# Altium PCB roach2.PcbDoc (part 38 of 39)
Units mil, origin at the board's own origin, x right, y up, seen from the top; angles counter-clockwise.
Board outline 12007.87 x 9606.3 mil, 16 copper layers (L1_TOP, L2_G, L3_S, L4_G, L5_S, L6_P, L7_G, L8_R, L9_R, L10_P, L11_P, L12_S, L13_P, L14_S, L15_G, L16_BOT), stack 81.651 mil thick; 1608 components, 1934 nets, 9335 pads, 6759 vias.
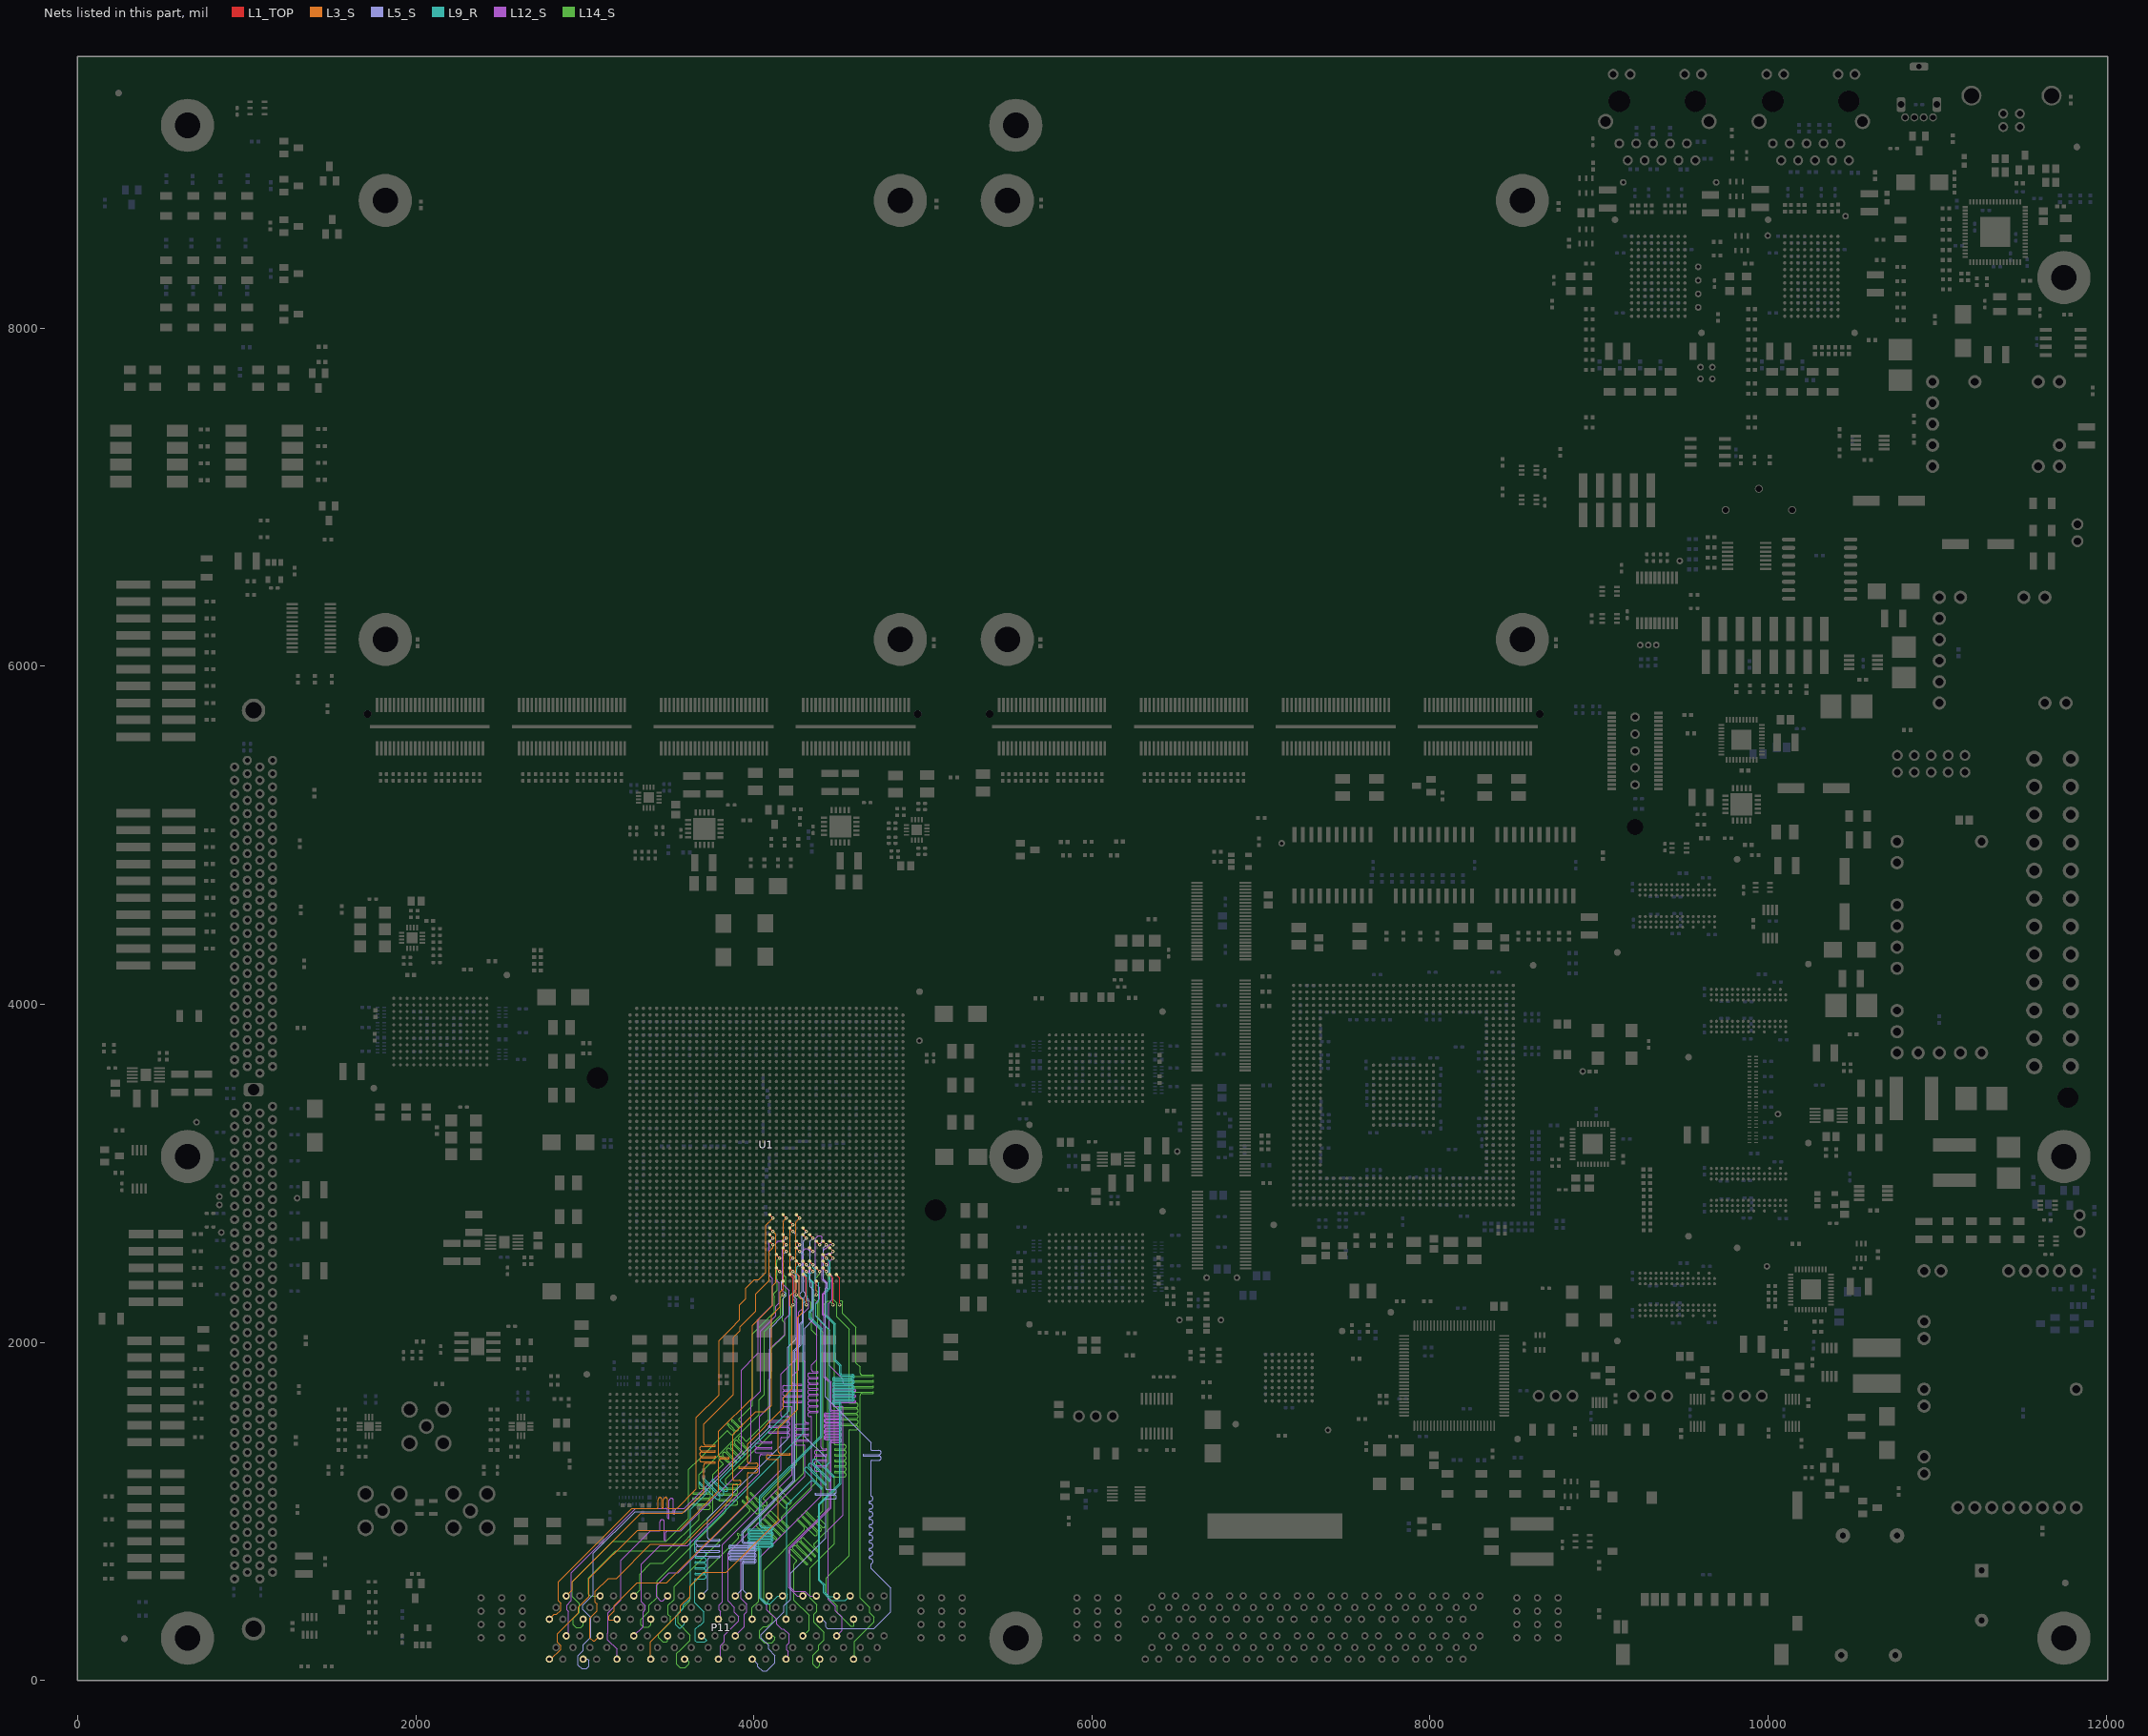
[diagram p52: the nets of this part, all layers, seen from the top]

## Via types
v1: diameter 19.4, hole 10, L1_TOP to L16_BOT, tented both sides, 3354 vias
v2: diameter 19.4, hole 10, L1_TOP to L16_BOT, 1884 vias
v3: diameter 19.4, hole 10, L1_TOP to L16_BOT, tented top, 410 vias
v4: diameter 18.6, hole 10, L1_TOP to L16_BOT, tented both sides, 311 vias
v5: diameter 59.06, hole 39.37, L1_TOP to L16_BOT, 217 vias
v6: diameter 19, hole 10, L1_TOP to L16_BOT, 198 vias
v7: diameter 19.4, hole 10.04, L1_TOP to L16_BOT, 125 vias
v8: diameter 19.4, hole 10, L1_TOP to L16_BOT, tented bottom, 80 vias
v9: diameter 25.98, hole 12.99, L1_TOP to L16_BOT, tented top, 59 vias
v10: diameter 20, hole 10, L1_TOP to L16_BOT, 52 vias
v11: diameter 59.06, hole 39.37, L1_TOP to L16_BOT, tented top, 44 vias
v12: diameter 20, hole 10, L1_TOP to L16_BOT, tented top, 16 vias
v13: diameter 19, hole 10, L1_TOP to L16_BOT, tented top, 5 vias
v14: diameter 50, hole 28, L1_TOP to L16_BOT, 4 vias

## Nets (pads, with @x,y where several pads share a name; then routed paths per layer and width w, separated by ;. In a path a pad name is that pad's centre, name@x,y a point inside that pad or via, vN(x,y) a via of type N, cw(c..) or ccw(c..) an arc to the next point about the centre after c; other vN are vias at no path point) (continued)
ZDOK1.DP_N34: P11.F12 U1.T35 | length 3357.4
  L1_TOP w5: U1.T35@4290.44,2636.26 v1(4310.13,2616.57)
  L5_S w3.8: P11.F12@3969.92,500 3936.99,532.93 3936.99,690.19 cw(c3941.39,690.19) 3941.39,694.59 4002.79,694.59 ccw(c4002.79,706.79) 4014.99,706.79 ccw(c4002.79,706.79) 4002.79,718.99 3863.4,718.99 cw(c3863.4,723.39) 3863.4,727.79 4002.79,727.79 ccw(c4002.79,739.99) 4014.99,739.99 ccw(c4002.79,739.99) 4002.79,752.19 3863.4,752.19 cw(c3863.4,756.59) 3863.4,760.99 4002.79,760.99 ccw(c4002.79,773.19) 4014.99,773.19 ccw(c4002.79,773.19) 4002.79,785.39 3863.4,785.39 cw(c3863.4,789.79) 3863.4,794.19 4002.79,794.19 ccw(c4002.79,806.39) 4014.99,806.39 ccw(c4002.79,806.39) 4002.79,818.59 3941.39,818.59 cw(c3941.39,822.99) 3936.99,822.99 3936.99,875.96 4241.99,1180.96 4241.99,1947.99 4278.51,1984.51 4278.51,2106.48 4294.53,2122.49 4294.53,2234.09 4295.42,2234.99 4295.42,2264.85 4306.04,2275.47 4306.04,2288.39 4294.16,2300.27 4294.16,2600.6 v1(4310.13,2616.57)
ZDOK1.DP_N35: P11.F14 U1.T40 | length 3418.7
  L1_TOP w5: U1.T40@4290.44,2439.41 v1(4310.13,2419.72)
  L9_R w3.8: P11.F14@4169.92,500 4142,500 4097.19,455.19 4063.76,455.19 4035.19,483.76 4035.19,767.59 ccw(c4030.79,767.59) 4030.79,771.99 3975.28,771.99 cw(c3975.28,784.19) 3975.28,796.39 4102.91,796.39 ccw(c4102.91,800.79) 4107.31,800.79 ccw(c4102.91,800.79) 4102.91,805.19 3975.28,805.19 cw(c3975.28,817.39) 3975.28,829.59 4102.91,829.59 ccw(c4102.91,833.99) 4107.31,833.99 ccw(c4102.91,833.99) 4102.91,838.39 3975.28,838.39 cw(c3975.28,850.59) 3975.28,862.79 4102.91,862.79 ccw(c4102.91,867.19) 4107.31,867.19 ccw(c4102.91,867.19) 4102.91,871.59 3975.28,871.59 cw(c3975.28,883.79) 3975.28,895.99 4102.91,895.99 ccw(c4102.91,900.39) 4107.31,900.39 ccw(c4102.91,900.39) 4102.91,904.79 4047.39,904.79 cw(c4047.39,916.99) 4035.19,916.99 4035.19,1087.19 4395.19,1447.19 4395.19,2078.38 4326.81,2146.76 4326.81,2183.84 4345.78,2202.81 4345.78,2350.98 4326.1,2370.66 4326.1,2403.75 v1(4310.13,2419.72)
ZDOK1.DP_N36: P11.F16 U1.M37 | length 3378.5
  L1_TOP w5: U1.M37@4448.82,2559.06 4467.61,2540.27 v1(4467.61,2537.83)
  L12_S w3.8: P11.F16@4369.92,500 4328.97,500 4301.41,527.55 4239.44,527.55 4214.99,552 4214.99,779.96 4455.79,1020.76 4455.79,1403.79 cw(c4460.19,1403.79) 4460.19,1408.19 4506.22,1408.19 ccw(c4506.22,1420.39) 4518.42,1420.39 ccw(c4506.22,1420.39) 4506.22,1432.59 4425.76,1432.59 cw(c4425.76,1436.99) 4425.76,1441.39 4506.22,1441.39 ccw(c4506.22,1453.59) 4518.42,1453.59 ccw(c4506.22,1453.59) 4506.22,1465.79 4425.76,1465.79 cw(c4425.76,1470.19) 4425.76,1474.59 4506.22,1474.59 ccw(c4506.22,1486.79) 4518.42,1486.79 ccw(c4506.22,1486.79) 4506.22,1498.99 4425.76,1498.99 cw(c4425.76,1503.39) 4425.76,1507.79 4506.22,1507.79 ccw(c4506.22,1519.99) 4518.42,1519.99 ccw(c4506.22,1519.99) 4506.22,1532.19 4425.76,1532.19 cw(c4425.76,1536.59) 4425.76,1540.99 4506.22,1540.99 ccw(c4506.22,1553.19) 4518.42,1553.19 ccw(c4506.22,1553.19) 4506.22,1565.39 4425.76,1565.39 cw(c4425.76,1569.79) 4425.76,1574.19 4506.22,1574.19 ccw(c4506.22,1586.39) 4518.42,1586.39 ccw(c4506.22,1586.39) 4506.22,1598.59 4460.19,1598.59 cw(c4460.19,1602.99) 4455.79,1602.99 4455.79,1765.19 4423.99,1796.99 4423.99,2154.16 4413.16,2164.99 4413.16,2284.16 4434.49,2305.49 4434.49,2352.03 4412.64,2373.89 4412.64,2515 4419.87,2522.23 4434.7,2522.23 4442.46,2530 4459.77,2530 v1(4467.61,2537.83)
ZDOK1.DP_N37: P11.F18 U1.N39 | length 3413.8
  L1_TOP w5: U1.N39@4408.55,2478.78 v1(4428.24,2459.09)
  L9_R w3.8: v1(4428.24,2459.09) 4444.21,2443.12 4444.21,2322.74 4422.49,2301.02 4422.49,2158.26 4443.99,2136.76 4474.76,2105.99 4474.76,1895.09 4508.19,1861.66 4508.19,1814.99 ccw(c4520.39,1814.99) 4520.39,1802.79 4582.58,1802.79 cw(c4582.58,1798.39) 4586.98,1798.39 cw(c4582.58,1798.39) 4582.58,1793.99 4477.2,1793.99 ccw(c4477.2,1781.79) 4477.2,1769.59 4582.58,1769.59 cw(c4582.58,1765.19) 4586.98,1765.19 cw(c4582.58,1765.19) 4582.58,1760.79 4477.2,1760.79 ccw(c4477.2,1748.59) 4477.2,1736.39 4582.58,1736.39 cw(c4582.58,1731.99) 4586.98,1731.99 cw(c4582.58,1731.99) 4582.58,1727.59 4477.2,1727.59 ccw(c4477.2,1715.39) 4477.2,1703.19 4582.58,1703.19 cw(c4582.58,1698.79) 4586.98,1698.79 cw(c4582.58,1698.79) 4582.58,1694.39 4477.2,1694.39 ccw(c4477.2,1682.19) 4477.2,1669.99 4582.58,1669.99 cw(c4582.58,1665.59) 4586.98,1665.59 cw(c4582.58,1665.59) 4582.58,1661.19 4477.2,1661.19 ccw(c4477.2,1648.99) 4477.2,1636.79 4503.79,1636.79 cw(c4503.79,1632.39) 4508.19,1632.39 4508.19,1168.19 4382.71,1042.71 4382.71,592.25 4411.48,563.48 4411.48,518.51 4457.54,472.45 4542.37,472.45 P11.F18@4569.92,500
ZDOK1.DP_P0: P11.A1 U1.AA34 | length 3393
  L1_TOP w5: U1.AA34@4093.59,2675.63 v1(4113.28,2655.94)
  L3_S w3.8: P11.A1@2790.2,125.98 2800.03,125.98 2857.51,183.47 2857.51,206.3 2838.99,224.82 2838.99,274.79 2963.19,398.99 2963.19,433.19 3025.19,495.19 3025.19,602.22 3311.96,888.99 3560.99,888.99 3792.99,1120.99 3792.99,1297.79 cw(c3805.19,1297.79) 3805.19,1309.99 3849.19,1309.99 ccw(c3849.19,1314.39) 3853.59,1314.39 ccw(c3849.19,1314.39) 3849.19,1318.79 3805.19,1318.79 cw(c3805.19,1330.99) 3792.99,1330.99 3792.99,1473.79 3992.19,1672.99 3992.19,2101.22 4109.56,2218.59 4109.56,2336.09 4129.25,2355.78 4129.25,2639.97 v1(4113.28,2655.94)
ZDOK1.DP_P1: P11.A3 U1.W37 | length 3374.6
  L1_TOP w5: U1.W37@4172.33,2557.52 v1(4192.02,2537.83)
  L5_S w3.8: P11.A3@2990.2,125.98 3016,125.98 3024.99,116.99 3024.99,82.99 3010.99,68.99 2980.99,68.99 2958.79,91.19 2958.79,146.33 2990.99,178.53 2990.99,209.96 3036.99,255.96 3036.99,370.99 2986.99,420.99 2986.99,443.96 3050.99,507.96 3050.99,752.99 3297.19,999.19 3592.22,999.19 4096.79,1503.76 4096.79,2081.89 4176.42,2161.52 4176.42,2263.95 4187.93,2275.47 4187.93,2288.39 4164.53,2311.79 4164.53,2359.14 4176.05,2370.66 4176.05,2522.5 4191.7,2538.15 v1@4192.91,2539.37
ZDOK1.DP_P2: P11.A5 U1.W35 | length 3347.2
  L1_TOP w5: U1.W35@4172.33,2636.26 v1(4192.02,2616.57)
  L12_S w3.8: P11.A5@3190.2,125.98 3190.2,184.65 3134.57,240.28 3134.57,278.42 3137.19,281.05 3137.19,399.19 3213.19,475.19 3213.19,710.76 3387.43,884.99 3440.99,884.99 ccw(c3440.99,889.39) 3445.39,889.39 3445.39,939.36 cw(c3457.59,939.36) 3469.79,939.36 3469.79,832.42 ccw(c3474.19,832.42) 3478.59,832.42 3478.59,872.79 cw(c3490.79,872.79) 3490.79,884.99 3568.99,884.99 3982.99,1298.99 3982.99,1653.99 4040.99,1711.99 4040.99,2067.84 4130.14,2156.99 4130.14,2213.67 4148.93,2232.46 4148.93,2350.98 4129.25,2370.66 4129.25,2586.9 4142.95,2600.6 4176.05,2600.6 v1(4192.02,2616.57)
ZDOK1.DP_P3: P11.A7 U1.U32 | length 3383.4
  L1_TOP w5: U1.U32@4251.07,2754.37 v1(4270.76,2734.68)
  L3_S w3.8: P11.A7@3390.2,125.98 3386.99,129.19 3386.99,228.79 3565.19,406.99 3565.19,441.19 3621.19,497.19 3621.19,558.42 3701.76,638.99 3836.99,638.99 4147.48,949.48 4144.71,952.25 4144.71,1305.19 ccw(c4140.31,1305.19) 4140.31,1309.59 4085.24,1309.59 cw(c4085.24,1321.79) 4085.24,1333.99 4211.98,1333.99 ccw(c4211.98,1338.39) 4216.38,1338.39 ccw(c4211.98,1338.39) 4211.98,1342.79 4156.91,1342.79 cw(c4156.91,1354.99) 4144.71,1354.99 4144.71,1488.71 4249.19,1593.19 4259.19,1603.19 4259.19,2149.72 4286.73,2177.26 4286.73,2252.55 4267.04,2272.24 4267.04,2390.35 4247.36,2410.03 4247.36,2711.28 v1(4270.76,2734.68)
ZDOK1.DP_P4: P11.A9 U1.U42 | length 3347.1
  L1_TOP w5: v2(4251.07,2281.93) U1.U42@4251.07,2360.67
  L14_S w3.8: 3544.56,159.53 3542.99,157.96 3542.99,96.99 3562.99,76.99 3594.99,76.99 3616.99,98.99 3616.99,110.99 3602,125.98 P11.A9@3590.2,125.98 ; 3544.6,159.53 3565.31,180.24 ; 3565.31,180.28 3622.99,237.96 3622.99,268.99 3550.99,340.99 3550.99,399.96 3622.99,471.96 3622.99,555.96 3907.27,840.24 ccw(c3898.64,848.86) 3910.84,848.86 ccw(c3898.64,848.86) 3907.27,857.49 3902.6,862.15 cw(c3905.71,865.27) 3902.6,868.38 cw(c3905.71,865.27) 3908.82,868.38 3913.49,863.71 ccw(c3922.11,872.34) 3930.74,863.71 4007.51,940.48 4119.12,1052.09 ccw(c4110.49,1060.72) 4122.69,1060.72 ccw(c4110.49,1060.72) 4119.12,1069.34 4099.83,1088.63 cw(c4102.95,1091.74) 4099.83,1094.85 cw(c4102.95,1091.74) 4106.06,1094.85 4177.96,1022.94 ccw(c4186.59,1031.57) 4195.21,1022.94 ccw(c4186.59,1031.57) 4198.79,1031.57 ccw(c4186.59,1031.57) 4195.21,1040.2 4123.31,1112.1 cw(c4126.42,1115.21) 4123.31,1118.32 cw(c4126.42,1115.21) 4129.53,1118.32 4201.44,1046.42 ccw(c4210.06,1055.04) 4218.69,1046.42 ccw(c4210.06,1055.04) 4222.26,1055.04 ccw(c4210.06,1055.04) 4218.69,1063.67 4146.78,1135.58 cw(c4149.9,1138.69) 4146.78,1141.8 cw(c4149.9,1138.69) 4153.01,1141.8 4172.29,1122.51 ccw(c4180.92,1131.14) 4189.54,1122.51 4287.51,1220.48 4293.79,1226.76 4293.79,2253.22 4287.22,2259.79 4274.99,2259.79 4251.97,2282.82 v2@4251.97,2283.46
ZDOK1.DP_P5: P11.A11 U1.R37 | length 3410.4
  L1_TOP w5: U1.R37@4329.81,2557.52 v1(4349.5,2537.83)
  L12_S w3.8: P11.A11@3790.2,125.98 3802.41,138.19 3802.41,206.3 3825.19,229.08 3825.19,267.19 3911.48,353.48 3911.48,377.48 3884.99,403.96 3884.99,431.96 3847.19,469.76 3847.19,753.19 4286.36,1192.36 4302.19,1208.19 4302.19,1387.59 ccw(c4297.79,1387.59) 4297.79,1391.99 4254.99,1391.99 cw(c4254.99,1404.19) 4254.99,1416.39 4321.19,1416.39 ccw(c4321.19,1420.79) 4325.59,1420.79 ccw(c4321.19,1420.79) 4321.19,1425.19 4254.99,1425.19 cw(c4254.99,1437.39) 4254.99,1449.59 4321.19,1449.59 ccw(c4321.19,1453.99) 4325.59,1453.99 ccw(c4321.19,1453.99) 4321.19,1458.39 4254.99,1458.39 cw(c4254.99,1470.59) 4254.99,1482.79 4321.19,1482.79 ccw(c4321.19,1487.19) 4325.59,1487.19 ccw(c4321.19,1487.19) 4321.19,1491.59 4254.99,1491.59 cw(c4254.99,1503.79) 4254.99,1515.99 4321.19,1515.99 ccw(c4321.19,1520.39) 4325.59,1520.39 ccw(c4321.19,1520.39) 4321.19,1524.79 4314.39,1524.79 cw(c4314.39,1536.99) 4302.19,1536.99 4302.19,1885.9 4294.76,1893.32 4294.76,2174.3 4325.83,2205.36 4325.83,2252.82 4306.41,2272.24 4306.41,2390.35 4286.73,2410.03 4286.73,2536.5 4303.66,2553.43 4316.59,2553.43 4332.19,2537.83 v1(4349.5,2537.83)
ZDOK1.DP_P6: P11.A13 U1.R35 | length 3368.6
  L1_TOP w5: U1.R35@4329.81,2636.26 v1(4349.5,2616.57)
  L5_S w3.8: P11.A13@3990.2,125.98 3994.2,125.98 4023.19,96.99 4023.19,81.76 4049.76,55.19 4076.42,55.19 4124.99,103.76 4124.99,146.79 4086.79,184.99 4086.79,207.19 4042.79,251.19 4042.79,269.56 4178.99,405.76 4178.99,441.96 4216.99,479.96 4216.99,633.96 4425.28,842.25 4425.28,1068.59 cw(c4429.68,1068.59) 4429.68,1072.99 4477,1072.99 ccw(c4477,1085.19) 4489.2,1085.19 ccw(c4477,1085.19) 4477,1097.39 4365.75,1097.39 cw(c4365.75,1101.79) 4365.75,1106.19 4477,1106.19 ccw(c4477,1118.39) 4489.2,1118.39 ccw(c4477,1118.39) 4477,1130.59 4429.68,1130.59 cw(c4429.68,1134.99) 4425.28,1134.99 4425.28,1318.71 4301.79,1442.19 4301.79,2084.76 4353.21,2136.18 4353.21,2310.3 4333.53,2329.99 4333.53,2600.6 v1(4349.5,2616.57)
ZDOK1.DP_P7: P11.A15 U1.P36 | length 3414.3
  L1_TOP w5: U1.P36@4369.18,2596.89 v1(4388.87,2577.2)
  L12_S w3.8: P11.A15@4190.2,125.98 4202.41,138.19 4202.41,172.44 4194.61,180.24 4194.61,209.53 4208.99,223.91 4208.99,271.96 4175.76,305.19 4163.76,305.19 4135.19,333.76 4135.19,359.56 4076.99,417.76 4076.99,443.96 4037.19,483.76 4037.19,731.19 4397.19,1091.19 4397.19,1233.59 ccw(c4392.79,1233.59) 4392.79,1237.99 4370.24,1237.99 cw(c4370.24,1250.19) 4370.24,1262.39 4426.74,1262.39 ccw(c4426.74,1266.79) 4431.14,1266.79 ccw(c4426.74,1266.79) 4426.74,1271.19 4370.24,1271.19 cw(c4370.24,1283.39) 4370.24,1295.59 4426.74,1295.59 ccw(c4426.74,1299.99) 4431.14,1299.99 ccw(c4426.74,1299.99) 4426.74,1304.39 4370.24,1304.39 cw(c4370.24,1316.59) 4370.24,1328.79 4426.74,1328.79 ccw(c4426.74,1333.19) 4431.14,1333.19 ccw(c4426.74,1333.19) 4426.74,1337.59 4370.24,1337.59 cw(c4370.24,1349.79) 4370.24,1361.99 4426.74,1361.99 ccw(c4426.74,1366.39) 4431.14,1366.39 ccw(c4426.74,1366.39) 4426.74,1370.79 4409.39,1370.79 cw(c4409.39,1382.99) 4397.19,1382.99 4397.19,2126.56 4365.99,2157.76 4365.99,2233.52 4389.76,2257.29 4389.76,2322.68 4365.47,2346.98 4365.47,2615.24 4382.4,2632.17 4395.33,2632.17 4404.47,2623.04 4404.47,2592.8 v1(4388.87,2577.2)
ZDOK1.DP_P8: P11.A17 U1.M41 | length 3377
  L1_TOP w5: U1.M41@4447.92,2400.04 4467.61,2380.35 v2(4467.61,2222.87)
  L14_S w3.8: 4384.99,84.99 4383.99,83.99 ; P11.A17@4390.2,125.98 4390.2,90.2 4383.99,83.99 ; v2@4468.5,2224.41 4448.92,2243.99 4434.99,2243.99 4415.99,2224.99 4415.99,2170.99 4476.99,2109.99 4476.99,1398.99 ccw(c4481.39,1398.99) 4481.39,1394.59 4533.99,1394.59 cw(c4533.99,1382.39) 4546.19,1382.39 cw(c4533.99,1382.39) 4533.99,1370.19 4481.39,1370.19 ccw(c4481.39,1365.79) 4481.39,1361.39 4533.99,1361.39 cw(c4533.99,1349.19) 4546.19,1349.19 cw(c4533.99,1349.19) 4533.99,1336.99 4481.39,1336.99 ccw(c4481.39,1332.59) 4481.39,1328.19 4533.99,1328.19 cw(c4533.99,1315.99) 4546.19,1315.99 cw(c4533.99,1315.99) 4533.99,1303.79 4481.39,1303.79 ccw(c4481.39,1299.39) 4481.39,1294.99 4533.99,1294.99 cw(c4533.99,1282.79) 4546.19,1282.79 cw(c4533.99,1282.79) 4533.99,1270.59 4481.39,1270.59 ccw(c4481.39,1266.19) 4481.39,1261.79 4533.99,1261.79 cw(c4533.99,1249.59) 4546.19,1249.59 cw(c4533.99,1249.59) 4533.99,1237.39 4481.39,1237.39 ccw(c4481.39,1232.99) 4481.39,1228.59 4533.99,1228.59 cw(c4533.99,1216.39) 4546.19,1216.39 cw(c4533.99,1216.39) 4533.99,1204.19 4481.39,1204.19 ccw(c4481.39,1199.79) 4476.99,1199.79 4476.99,807.96 4332.99,663.96 4332.99,488.99 4372.79,449.19 4372.79,409.76 4354.79,391.76 4354.79,345.19 4414.79,285.19 4414.79,239.76 4382.99,207.96 4382.99,181.96 4350.99,149.96 4350.99,96.99 4370.99,76.99 4376.99,76.99 4383.99,83.99
ZDOK1.DP_P9: P11.A19 U1.L41 | length 3386.4
  L1_TOP w5: U1.L41@4487.29,2400.04 4506.98,2380.35 v2(4506.98,2222.87)
  L14_S w3.8: v2@4507.87,2224.41 4507.87,2242.87 4511.99,2246.99 4519.99,2246.99 4524.99,2241.99 4524.99,2170.96 4605.19,2090.76 4605.19,1878.76 4629.19,1854.76 4629.19,1818.99 ccw(c4641.39,1818.99) 4641.39,1806.79 4703.67,1806.79 cw(c4703.67,1802.39) 4708.07,1802.39 cw(c4703.67,1802.39) 4703.67,1797.99 4584.11,1797.99 ccw(c4584.11,1785.79) 4584.11,1773.59 4703.67,1773.59 cw(c4703.67,1769.19) 4708.07,1769.19 cw(c4703.67,1769.19) 4703.67,1764.79 4584.11,1764.79 ccw(c4584.11,1752.59) 4584.11,1740.39 4703.67,1740.39 cw(c4703.67,1735.99) 4708.07,1735.99 cw(c4703.67,1735.99) 4703.67,1731.59 4584.11,1731.59 ccw(c4584.11,1719.39) 4584.11,1707.19 4703.67,1707.19 cw(c4703.67,1702.79) 4708.07,1702.79 cw(c4703.67,1702.79) 4703.67,1698.39 4641.39,1698.39 ccw(c4641.39,1686.19) 4629.19,1686.19 4629.19,487.76 4684.99,431.96 4684.99,399.96 4711.48,373.48 4711.48,347.48 4595.19,231.19 4595.19,210.11 4594.61,209.53 4594.61,180.24 4595.19,179.65 4595.19,130.98 P11.A19@4590.2,125.98
ZDOK1.DP_P10: P11.D1 U1.AA32 | length 3362.8
  L1_TOP w5: U1.AA32@4093.59,2754.37 v1(4113.28,2734.68)
  L3_S w3.8: P11.D1@2790.2,362.2 2818.98,390.99 2832.99,390.99 2857.51,415.51 2857.51,455.44 2843.19,469.76 2843.19,583.19 3278.99,1018.99 3427.99,1018.99 ccw(c3427.99,1023.39) 3432.39,1023.39 3432.39,1069.8 cw(c3444.59,1069.8) 3456.79,1069.8 3456.79,1023.39 ccw(c3461.19,1023.39) 3465.59,1023.39 3465.59,1069.8 cw(c3477.79,1069.8) 3489.99,1069.8 3489.99,1023.39 ccw(c3494.39,1023.39) 3494.39,1018.99 3544.99,1018.99 3659.19,1133.19 3659.19,1556.19 3793.19,1690.19 3793.19,1898.09 3793.42,1898.32 3793.42,2011.65 3863.76,2081.99 3915.69,2133.92 3915.69,2222.72 3952.08,2259.11 3952.08,2321.11 4003.76,2372.79 4028.76,2372.79 4070.69,2414.72 4070.69,2692.72 4112.65,2734.68 v1(4113.28,2734.68)
ZDOK1.DP_P11: P11.D3 U1.Y38 | length 3363.8
  L1_TOP w5: U1.Y38@4132.96,2518.15 v1(4152.65,2498.46)
  L14_S w3.8: P11.D3@2990.2,362.2 2990.2,326.2 2976.99,312.99 2948.99,312.99 2930.99,330.99 2930.99,365.96 2969.28,404.25 2969.28,452.71 2925.35,496.63 2925.35,514.64 2924.99,515.01 2924.99,582.99 3165.19,823.19 3480.22,823.19 3614.99,957.96 3614.99,1249.96 3677.5,1312.47 3840.08,1475.05 cw(c3843.19,1471.94) 3846.3,1475.05 3865.17,1456.18 ccw(c3873.8,1464.8) 3882.43,1456.18 ccw(c3873.8,1464.8) 3886,1464.8 ccw(c3873.8,1464.8) 3882.43,1473.43 3857.69,1498.17 ; 3857.68,1498.18 3844.43,1511.42 cw(c3847.54,1514.54) 3844.43,1517.65 cw(c3847.54,1514.54) 3850.65,1517.65 3863.9,1504.4 3888.65,1479.65 ccw(c3897.28,1488.28) 3905.9,1479.65 ccw(c3897.28,1488.28) 3909.47,1488.28 ccw(c3897.28,1488.28) 3905.9,1496.91 3881.17,1521.64 3867.91,1534.9 cw(c3871.02,1538.01) 3867.91,1541.12 cw(c3871.02,1538.01) 3874.13,1541.12 3887.38,1527.87 ; 3887.39,1527.86 3912.12,1503.13 ccw(c3920.75,1511.75) 3929.38,1503.13 ccw(c3920.75,1511.75) 3932.95,1511.75 ccw(c3920.75,1511.75) 3929.38,1520.38 3910.5,1539.25 cw(c3913.62,1542.36) 3910.5,1545.47 3990.79,1625.76 3990.79,2048.76 4122.79,2180.76 4122.79,2270.03 4117.36,2275.47 4117.36,2288.39 4138.97,2310 4138.97,2371.97 4137.05,2373.89 4137.05,2483.5 4152.33,2498.78 v1@4153.54,2500
ZDOK1.DP_P12: P11.D5 U1.V33 | length 3326.2
  L1_TOP w5: U1.V33@4211.7,2715 v1(4231.39,2695.31)
  L3_S w3.8: P11.D5@3190.2,362.2 3184.98,356.99 3142.79,356.99 3142.79,381.56 3172.99,411.76 3172.99,441.19 3308.99,577.19 3484.22,577.19 3962.79,1055.76 3962.79,1224.59 cw(c3967.19,1224.59) 3967.19,1228.99 4012.58,1228.99 ccw(c4012.58,1241.19) 4024.78,1241.19 ccw(c4012.58,1241.19) 4012.58,1253.39 3915.01,1253.39 cw(c3915.01,1257.79) 3915.01,1262.19 4012.58,1262.19 ccw(c4012.58,1274.39) 4024.78,1274.39 ccw(c4012.58,1274.39) 4012.58,1286.59 3967.19,1286.59 cw(c3967.19,1290.99) 3962.79,1290.99 3962.79,1399.76 4174.79,1611.76 4174.79,1673.05 4226.99,1725.25 4226.99,2205.21 4215.79,2216.41 4215.79,2275.79 4244.49,2304.49 4244.49,2384.55 4215.79,2413.26 4215.79,2679.71 v1(4231.39,2695.31)
ZDOK1.DP_P13: P11.D7 U1.V41 | length 3319
  L1_TOP w5: U1.V41@4211.7,2400.04 4231.39,2380.35 v2(4231.39,2222.87)
  L14_S w3.8: P11.D7@3390.2,362.2 3390.2,330.2 3376.99,316.99 3344.99,316.99 3330.99,330.99 3330.99,359.96 3380.99,409.96 3380.99,445.96 3426.79,491.76 3426.79,589.56 3829.6,992.37 ; 3829.75,992.52 3834.99,997.76 3834.99,1034.19 cw(c3839.39,1034.19) 3839.39,1038.59 3893.31,1038.59 ccw(c3893.31,1050.79) 3905.51,1050.79 ccw(c3893.31,1050.79) 3893.31,1062.99 3796.47,1062.99 cw(c3796.47,1067.39) 3796.47,1071.79 3893.31,1071.79 ccw(c3893.31,1083.99) 3905.51,1083.99 ccw(c3893.31,1083.99) 3893.31,1096.19 3796.47,1096.19 cw(c3796.47,1100.59) 3796.47,1104.99 3893.31,1104.99 ccw(c3893.31,1117.19) 3905.51,1117.19 ccw(c3893.31,1117.19) 3893.31,1129.39 3796.47,1129.39 cw(c3796.47,1133.79) 3796.47,1138.19 3893.31,1138.19 ccw(c3893.31,1150.39) 3905.51,1150.39 ccw(c3893.31,1150.39) 3893.31,1162.59 3839.39,1162.59 cw(c3839.39,1166.99) 3834.99,1166.99 3834.99,1191.96 4216.5,1573.47 4216.5,2208.63 4231.07,2223.19 v2@4232.28,2224.41
ZDOK1.DP_P14: P11.D9 U1.U39 | length 3339.4
  L1_TOP w5: U1.U39@4251.07,2478.78 v1(4270.76,2459.09)
  L9_R w3.8: P11.D9@3590.2,362.2 3588.99,361 3588.99,332.99 3566.99,310.99 3556.99,310.99 3538.79,329.19 3538.79,381.56 3582.99,425.76 3582.99,443.96 3624.99,485.96 3624.99,1011.96 3718.21,1105.18 ccw(c3709.59,1113.81) 3721.79,1113.81 ccw(c3709.59,1113.81) 3718.22,1122.44 3675.88,1164.77 cw(c3678.99,1167.89) 3675.88,1171 cw(c3678.99,1167.89) 3682.1,1171 3778.52,1074.58 ccw(c3787.14,1083.21) 3795.77,1074.58 ccw(c3787.14,1083.21) 3799.34,1083.21 ccw(c3787.14,1083.21) 3795.77,1091.84 3699.36,1188.25 cw(c3702.46,1191.37) 3699.35,1194.48 cw(c3702.46,1191.37) 3705.58,1194.48 3801.99,1098.06 ccw(c3810.62,1106.69) 3819.24,1098.06 ccw(c3810.62,1106.69) 3822.82,1106.69 ccw(c3810.62,1106.69) 3819.24,1115.31 3753.18,1181.37 cw(c3756.29,1184.49) 3753.18,1187.6 cw(c3756.29,1184.49) 3759.41,1187.6 3777.25,1169.75 3825.46,1121.54 ccw(c3834.09,1130.16) 3842.72,1121.54 ccw(c3834.09,1130.16) 3846.29,1130.16 ccw(c3834.09,1130.16) 3842.72,1138.79 3800.38,1181.13 cw(c3803.49,1184.24) 3800.38,1187.35 3976.51,1363.48 4207.79,1594.76 4207.79,2157.79 4215.79,2165.79 4215.79,2278.79 4255.16,2318.16 4255.16,2443.49 v1(4270.76,2459.09)